# KiCad board MQ Breakout.kicad_pcb (continued)
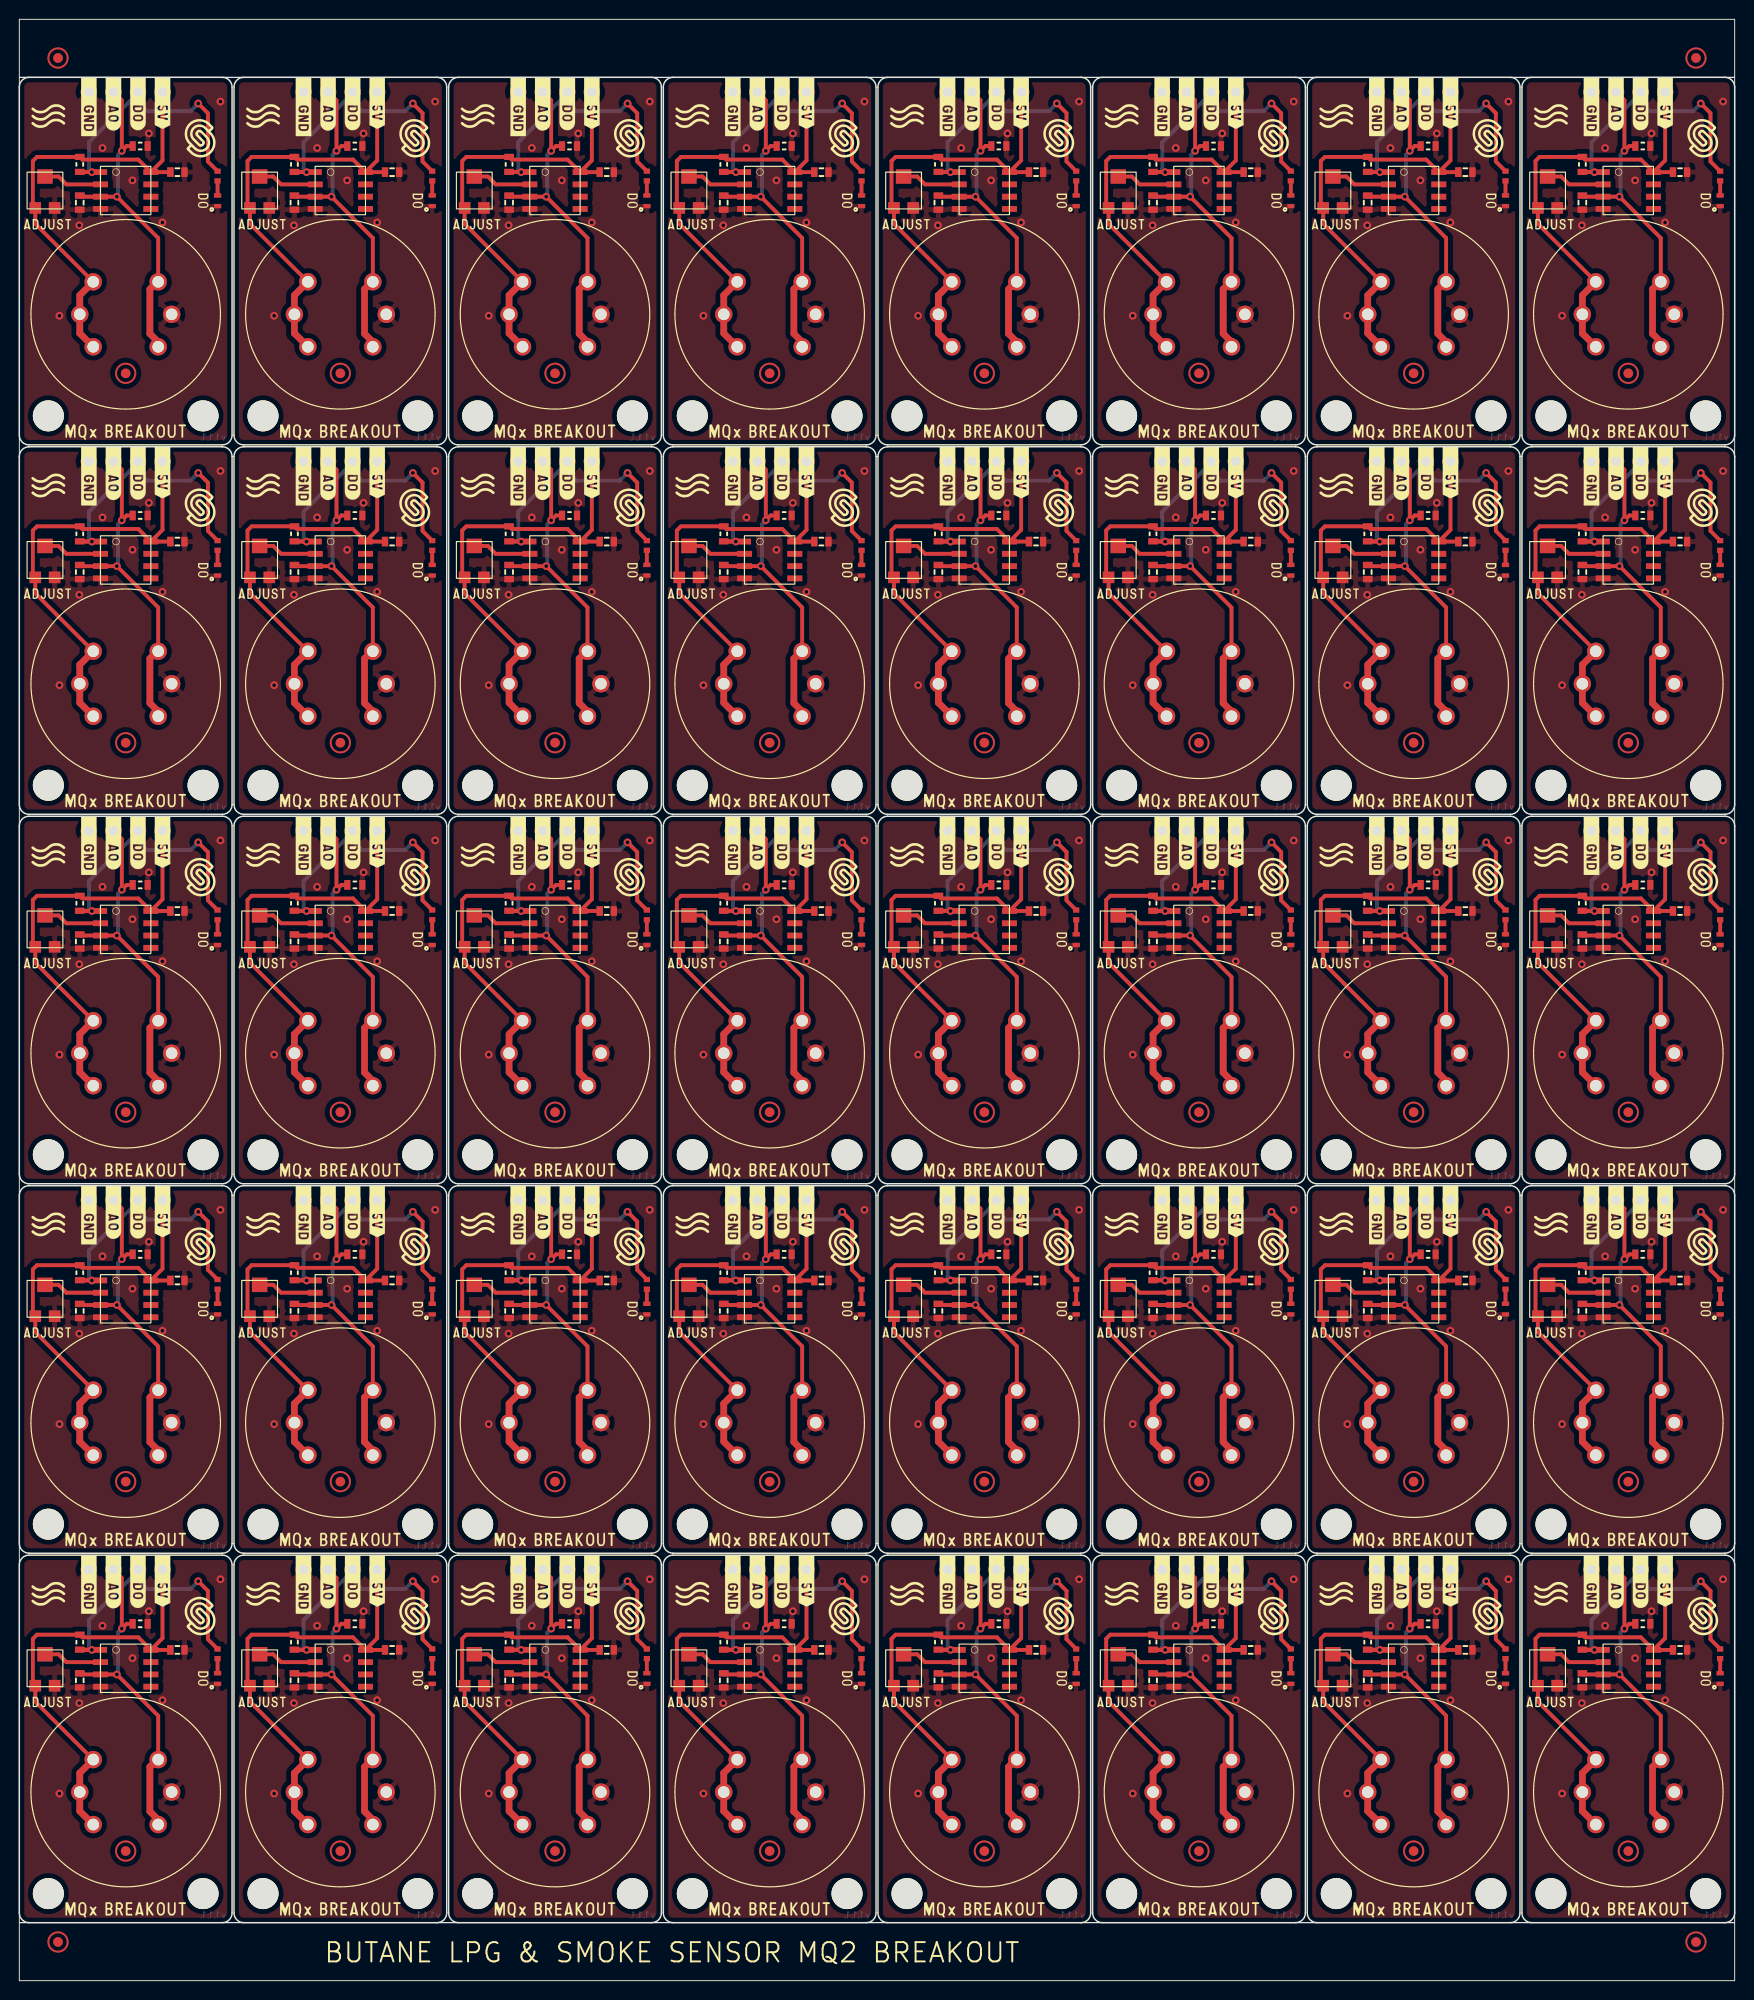
[diagram p0: board, top side]
## Routing (per net, layer and track width the routed paths; a pad name or vN(x,y) marks a point on that pad's centre or on a via; arc(x,y) is an arc through that point) (continued)
AO: length 1365.2
  Top w0.4: K1.2 10.6,156.23 v1(10.6,151) 11.1,151.5 R1#36.2 ; 103.1,61.1 103.16,61.16 103.16,65.59 v1(98.89,69.86) 95.17,69.86 C1#39.2 ; C1#20.2 95.17,31.66 U2#36.3 v1(98.89,31.66) 103.16,27.39 103.16,22.96 103.1,22.9 ; R1#29.2 77.7,113.3 v1(77.2,112.8) 77.2,118.03 K1#37.2 ; K1#23.2 55,79.83 v1(55,74.6) 55.5,75.1 R1#30.2 ; K1#21.2 55,41.63 v1(55,36.4) 55.5,36.9 R1#13.2 ; C1#37.2 117.37,108.06 U2#26.3 v1(121.09,108.06) 125.36,103.79 125.36,99.36 125.3,99.3 ; K1#32.2 143.8,194.43 v1(143.8,189.2) 144.3,189.7 R1#14.2 ; R1#21.2 144.3,113.3 v1(143.8,112.8) 143.8,118.03 K1#4.2 ; K1#7.2 32.8,194.43 v1(32.8,189.2) 33.3,189.7 R1#24.2 ; K1#8.2 99.4,79.83 v1(99.4,74.6) 99.9,75.1 R1#6.2 ; 169.7,137.5 169.76,137.56 169.76,141.99 v1(165.49,146.26) U2#8.3 161.77,146.26 C1#3.2 ; K1#28.2 99.4,194.43 v1(99.4,189.2) 99.9,189.7 R1#22.2 ; R1#23.2 122.1,189.7 v1(121.6,189.2) 121.6,194.43 K1#13.2 ; C1#14.2 139.57,69.86 v1(143.29,69.86) 147.56,65.59 147.56,61.16 147.5,61.1 ; K1#33.2 10.6,41.63 v1(10.6,36.4) 11.1,36.9 R1.2 ; R1#11.2 166.5,189.7 v1(166,189.2) 166,194.43 K1#26.2 ; 58.7,22.9 58.76,22.96 58.76,27.39 v1(54.49,31.66) U2#2.3 50.77,31.66 C1#22.2 ; R1#34.2 166.5,36.9 v1(166,36.4) 166,41.63 K1#30.2 ; C1#11.2 6.37,146.26 U2#4.3 v1(10.09,146.26) 14.36,141.99 14.36,137.56 14.3,137.5 ; 36.5,175.7 36.56,175.76 36.56,180.19 v1(32.29,184.46) U2#6.3 28.57,184.46 C1#34.2 ; R1#7.2 166.5,113.3 v1(166,112.8) 166,118.03 K1#27.2 ; R1#8.2 99.9,36.9 v1(99.4,36.4) 99.4,41.63 K1#39.2 ; 103.1,137.5 103.16,137.56 103.16,141.99 v1(98.89,146.26) U2#22.3 95.17,146.26 C1#33.2 ; C1#5.2 72.97,108.06 U2#15.3 v1(76.69,108.06) 80.96,103.79 80.96,99.36 80.9,99.3 ; C1#6.2 161.77,31.66 U2#31.3 v1(165.49,31.66) 169.76,27.39 169.76,22.96 169.7,22.9 ; K1#2.2 166,79.83 v1(166,74.6) 166.5,75.1 R1#38.2 ; K1#22.2 10.6,118.03 v1(10.6,112.8) 11.1,113.3 R1#9.2 ; K1#35.2 99.4,118.03 v1(99.4,112.8) 99.9,113.3 R1#39.2 ; 80.9,137.5 80.96,137.56 80.96,141.99 v1(76.69,146.26) U2#23.3 72.97,146.26 C1#32.2 ; K1#29.2 143.8,156.23 v1(143.8,151) 144.3,151.5 R1#5.2 ; C1#12.2 6.37,69.86 v1(10.09,69.86) 14.36,65.59 14.36,61.16 14.3,61.1 ; R1#4.2 144.3,75.1 v1(143.8,74.6) 143.8,79.83 K1#20.2 ; C1#2.2 28.57,31.66 U2#10.3 v1(32.29,31.66) 36.56,27.39 36.56,22.96 36.5,22.9 ; 169.7,175.7 169.76,175.76 169.76,180.19 v1(165.49,184.46) U2#27.3 161.77,184.46 C1#26.2 ; C1#40.2 117.37,184.46 U2#35.3 v1(121.09,184.46) 125.36,180.19 125.36,175.76 125.3,175.7 ; K1#40.2 77.2,41.63 v1(77.2,36.4) 77.7,36.9 R1#25.2 ; C1#17.2 117.37,146.26 U2#14.3 v1(121.09,146.26) 125.36,141.99 125.36,137.56 125.3,137.5 ; C1#36.2 50.77,146.26 U2#20.3 v1(54.49,146.26) 58.76,141.99 58.76,137.56 58.7,137.5 ; C1#30.2 28.57,146.26 U2#9.3 v1(32.29,146.26) 36.56,141.99 36.56,137.56 36.5,137.5 ; K1#5.2 55,156.23 v1(55,151) 55.5,151.5 R1#40.2 ; 36.5,61.1 36.56,61.16 36.56,65.59 v1(32.29,69.86) 28.57,69.86 C1#29.2 ; K1#31.2 32.8,118.03 v1(32.8,112.8) 33.3,113.3 R1#2.2 ; R1#12.2 77.7,189.7 v1(77.2,189.2) 77.2,194.43 K1#18.2 ; 125.3,22.9 125.36,22.96 125.36,27.39 v1(121.09,31.66) U2#32.3 117.37,31.66 C1#10.2 ; C1#35.2 72.97,69.86 v1(76.69,69.86) 80.96,65.59 80.96,61.16 80.9,61.1 ; R1#31.2 122.1,75.1 v1(121.6,74.6) 121.6,79.83 K1#25.2 ; K1#3.2 55,194.43 v1(55,189.2) 55.5,189.7 R1#18.2 ; K1#17.2 32.8,41.63 v1(32.8,36.4) 33.3,36.9 R1#10.2 ; R1#33.2 33.3,75.1 v1(32.8,74.6) 32.8,79.83 K1#36.2 ; C1#18.2 139.57,184.46 U2#16.3 v1(143.29,184.46) 147.56,180.19 147.56,175.76 147.5,175.7 ; 147.5,137.5 147.56,137.56 147.56,141.99 v1(143.29,146.26) U2#25.3 139.57,146.26 C1#15.2 ; 169.7,99.3 169.76,99.36 169.76,103.79 v1(165.49,108.06) U2#5.3 161.77,108.06 C1#38.2 ; R1#27.2 11.1,75.1 v1(10.6,74.6) 10.6,79.83 K1#24.2 ; C1#19.2 161.77,69.86 v1(165.49,69.86) 169.76,65.59 169.76,61.16 169.7,61.1 ; C1#25.2 50.77,108.06 U2#39.3 v1(54.49,108.06) 58.76,103.79 58.76,99.36 58.7,99.3 ; C1#23.2 6.37,184.46 U2#18.3 v1(10.09,184.46) 14.36,180.19 14.36,175.76 14.3,175.7 ; 125.3,61.1 125.36,61.16 125.36,65.59 v1(121.09,69.86) 117.37,69.86 C1#7.2 ; 14.3,99.3 14.36,99.36 14.36,103.79 v1(10.09,108.06) U2#38.3 6.37,108.06 C1#8.2 ; R1#3.2 77.7,151.5 v1(77.2,151) 77.2,156.23 K1#14.2 ; C1#28.2 50.77,184.46 U2#13.3 v1(54.49,184.46) 58.76,180.19 58.76,175.76 58.7,175.7 ; C1#31.2 139.57,31.66 U2#34.3 v1(143.29,31.66) 147.56,27.39 147.56,22.96 147.5,22.9 ; 58.7,61.1 58.76,61.16 58.76,65.59 v1(54.49,69.86) 50.77,69.86 C1#9.2 ; 103.1,99.3 103.16,99.36 103.16,103.79 v1(98.89,108.06) U2#28.3 95.17,108.06 C1.2 ; 103.1,175.7 103.16,175.76 103.16,180.19 v1(98.89,184.46) U2#30.3 95.17,184.46 C1#16.2 ; C1#13.2 139.57,108.06 U2#19.3 v1(143.29,108.06) 147.56,103.79 147.56,99.36 147.5,99.3 ; K1#11.2 99.4,156.23 v1(99.4,151) 99.9,151.5 R1#15.2 ; C1#24.2 72.97,184.46 U2#33.3 v1(76.69,184.46) 80.96,180.19 80.96,175.76 80.9,175.7 ; K1#16.2 55,118.03 v1(55,112.8) 55.5,113.3 R1#28.2 ; K1#38.2 121.6,118.03 v1(121.6,112.8) 122.1,113.3 R1#37.2 ; K1#34.2 166,156.23 v1(166,151) 166.5,151.5 R1#35.2 ; K1#19.2 121.6,156.23 v1(121.6,151) 122.1,151.5 R1#17.2 ; R1#20.2 11.1,189.7 v1(10.6,189.2) 10.6,194.43 K1#12.2 ; C1#4.2 28.57,108.06 U2#37.3 v1(32.29,108.06) 36.56,103.79 36.56,99.36 36.5,99.3 ; 14.3,22.9 14.36,22.96 14.36,27.39 v1(10.09,31.66) U2#40.3 6.37,31.66 C1#21.2 ; R1#16.2 122.1,36.9 v1(121.6,36.4) 121.6,41.63 K1#9.2 ; R1#32.2 77.7,75.1 v1(77.2,74.6) 77.2,79.83 K1#15.2 ; R1#26.2 144.3,36.9 v1(143.8,36.4) 143.8,41.63 K1#6.2 ; K1#10.2 32.8,156.23 v1(32.8,151) 33.3,151.5 R1#19.2 ; C1#27.2 72.97,31.66 U2#11.3 v1(76.69,31.66) 80.96,27.39 80.96,22.96 80.9,22.9
  Top w0.7: 58.7,99.3 57.9,98.5 57.9,93.9 58.76,93.04 ; 58.76,131.24 57.9,132.1 57.9,136.7 58.7,137.5 ; 169.7,137.5 168.9,136.7 168.9,132.1 169.76,131.24 ; 147.5,61.1 146.7,60.3 146.7,55.7 147.56,54.84 ; 14.3,22.9 13.5,22.1 13.5,17.5 14.36,16.64 ; 169.76,93.04 168.9,93.9 168.9,98.5 169.7,99.3 ; 58.76,54.84 57.9,55.7 57.9,60.3 58.7,61.1 ; 103.16,169.44 102.3,170.3 102.3,174.9 103.1,175.7 ; 125.3,22.9 124.5,22.1 124.5,17.5 125.36,16.64 ; 125.3,61.1 124.5,60.3 124.5,55.7 125.36,54.84 ; 80.96,93.04 80.1,93.9 80.1,98.5 80.9,99.3 ; 14.36,131.24 13.5,132.1 13.5,136.7 14.3,137.5 ; 36.5,137.5 35.7,136.7 35.7,132.1 36.56,131.24 ; 125.36,93.04 124.5,93.9 124.5,98.5 125.3,99.3 ; 147.5,137.5 146.7,136.7 146.7,132.1 147.56,131.24 ; 36.56,16.64 35.7,17.5 35.7,22.1 36.5,22.9 ; 80.9,137.5 80.1,136.7 80.1,132.1 80.96,131.24 ; 169.7,22.9 168.9,22.1 168.9,17.5 169.76,16.64 ; 169.76,54.84 168.9,55.7 168.9,60.3 169.7,61.1 ; 58.7,22.9 57.9,22.1 57.9,17.5 58.76,16.64 ; 14.36,169.44 13.5,170.3 13.5,174.9 14.3,175.7 ; 58.7,175.7 57.9,174.9 57.9,170.3 58.76,169.44 ; 103.1,22.9 102.3,22.1 102.3,17.5 103.16,16.64 ; 80.9,22.9 80.1,22.1 80.1,17.5 80.96,16.64 ; 36.56,54.84 35.7,55.7 35.7,60.3 36.5,61.1 ; 36.56,93.04 35.7,93.9 35.7,98.5 36.5,99.3 ; 103.16,93.04 102.3,93.9 102.3,98.5 103.1,99.3 ; 147.56,16.64 146.7,17.5 146.7,22.1 147.5,22.9 ; 80.96,169.44 80.1,170.3 80.1,174.9 80.9,175.7 ; 169.7,175.7 168.9,174.9 168.9,170.3 169.76,169.44 ; 36.5,175.7 35.7,174.9 35.7,170.3 36.56,169.44 ; 147.5,99.3 146.7,98.5 146.7,93.9 147.56,93.04 ; 14.36,93.04 13.5,93.9 13.5,98.5 14.3,99.3 ; 103.16,54.84 102.3,55.7 102.3,60.3 103.1,61.1 ; 103.16,131.24 102.3,132.1 102.3,136.7 103.1,137.5 ; 125.36,131.24 124.5,132.1 124.5,136.7 125.3,137.5 ; 14.36,54.84 13.5,55.7 13.5,60.3 14.3,61.1 ; 125.36,169.44 124.5,170.3 124.5,174.9 125.3,175.7 ; 147.5,175.7 146.7,174.9 146.7,170.3 147.56,169.44 ; 80.96,54.84 80.1,55.7 80.1,60.3 80.9,61.1
  Bottom w0.4: v1(55,112.8) 54.6,112.4 54.6,108.18 v1(54.49,108.06) ; v1(165.49,108.06) 165.6,108.18 165.6,112.4 v1(166,112.8) ; v1(121.6,74.6) 121.2,74.2 121.2,69.98 v1(121.09,69.86) ; v1(32.29,69.86) 32.4,69.98 32.4,74.2 v1(32.8,74.6) ; v1(143.8,151) 143.4,150.6 143.4,146.38 v1(143.29,146.26) ; v1(55,36.4) 54.6,36 54.6,31.78 v1(54.49,31.66) ; v1(32.8,112.8) 32.4,112.4 32.4,108.18 v1(32.29,108.06) ; v1(10.6,112.8) 10.2,112.4 10.2,108.18 v1(10.09,108.06) ; v1(99.4,112.8) 99,112.4 99,108.18 v1(98.89,108.06) ; v1(77.2,151) 76.8,150.6 76.8,146.38 v1(76.69,146.26) ; v1(55,151) 54.6,150.6 54.6,146.38 v1(54.49,146.26) ; v1(121.6,36.4) 121.2,36 121.2,31.78 v1(121.09,31.66) ; v1(166,74.6) 165.6,74.2 165.6,69.98 v1(165.49,69.86) ; v1(121.6,151) 121.2,150.6 121.2,146.38 v1(121.09,146.26) ; v1(165.49,31.66) 165.6,31.78 165.6,36 v1(166,36.4) ; v1(10.6,74.6) 10.2,74.2 10.2,69.98 v1(10.09,69.86) ; v1(54.49,184.46) 54.6,184.58 54.6,188.8 v1(55,189.2) ; v1(99.4,74.6) 99,74.2 99,69.98 v1(98.89,69.86) ; v1(99.4,36.4) 99,36 99,31.78 v1(98.89,31.66) ; v1(76.69,108.06) 76.8,108.18 76.8,112.4 v1(77.2,112.8) ; v1(121.09,108.06) 121.2,108.18 121.2,112.4 v1(121.6,112.8) ; v1(121.6,189.2) 121.2,188.8 121.2,184.58 v1(121.09,184.46) ; v1(10.09,184.46) 10.2,184.58 10.2,188.8 v1(10.6,189.2) ; v1(76.69,31.66) 76.8,31.78 76.8,36 v1(77.2,36.4) ; v1(32.8,189.2) 32.4,188.8 32.4,184.58 v1(32.29,184.46) ; v1(143.8,189.2) 143.4,188.8 143.4,184.58 v1(143.29,184.46) ; v1(99.4,151) 99,150.6 99,146.38 v1(98.89,146.26) ; v1(76.69,69.86) 76.8,69.98 76.8,74.2 v1(77.2,74.6) ; v1(165.49,146.26) 165.6,146.38 165.6,150.6 v1(166,151) ; v1(143.8,36.4) 143.4,36 143.4,31.78 v1(143.29,31.66) ; v1(54.49,69.86) 54.6,69.98 54.6,74.2 v1(55,74.6) ; v1(165.49,184.46) 165.6,184.58 165.6,188.8 v1(166,189.2) ; v1(10.6,36.4) 10.2,36 10.2,31.78 v1(10.09,31.66) ; v1(143.29,69.86) 143.4,69.98 143.4,74.2 v1(143.8,74.6) ; v1(32.29,31.66) 32.4,31.78 32.4,36 v1(32.8,36.4) ; v1(98.89,184.46) 99,184.58 99,188.8 v1(99.4,189.2) ; v1(10.6,151) 10.2,150.6 10.2,146.38 v1(10.09,146.26) ; v1(32.29,146.26) 32.4,146.38 32.4,150.6 v1(32.8,151) ; v1(76.69,184.46) 76.8,184.58 76.8,188.8 v1(77.2,189.2) ; v1(143.29,108.06) 143.4,108.18 143.4,112.4 v1(143.8,112.8)
D0: length 1187.5
  Top w0.4: U2#22.1 95.07,148.81 R3#29.1 96.28,148.82 v1(96.3,148.8) ; R4#3.1 19.5,73.5 19.5,78.5 v1(18.5,79.5) ; R4#32.1 174.9,111.7 174.9,116.7 v1(173.9,117.7) ; v1(18.5,41.3) 19.5,40.3 19.5,35.3 R4#28.1 ; v1(85.1,194.1) 86.1,193.1 86.1,188.1 R4#27.1 ; U2#32.1 117.27,34.2 R3#39.1 118.48,34.22 v1(118.5,34.2) ; R4#19.1 174.9,149.9 174.9,154.9 v1(173.9,155.9) ; v1(107.3,155.9) 108.3,154.9 108.3,149.9 R4#40.1 ; U2#35.1 117.27,187 117.25,187.02 118.48,187.02 v1(118.5,187) ; R4#20.1 152.7,188.1 152.7,193.1 v1(151.7,194.1) ; R4#9.1 130.5,73.5 130.5,78.5 v1(129.5,79.5) ; R4#16.1 130.5,149.9 130.5,154.9 v1(129.5,155.9) ; v1(173.9,194.1) 174.9,193.1 174.9,188.1 R4#10.1 ; v1(74.1,72.4) 74.08,72.42 R3#40.1 72.87,72.41 U2.1 ; R4#11.1 174.9,35.3 174.9,40.3 v1(173.9,41.3) ; R4#39.1 19.5,149.9 19.5,154.9 v1(18.5,155.9) ; v1(173.9,79.5) 174.9,78.5 174.9,73.5 R4#2.1 ; v1(51.9,110.6) 51.88,110.62 R3#32.1 50.67,110.6 U2#39.1 ; U2#28.1 95.07,110.6 R3#10.1 96.28,110.62 v1(96.3,110.6) ; v1(129.5,117.7) 130.5,116.7 130.5,111.7 R4#26.1 ; U2#23.1 72.87,148.81 R3#30.1 74.08,148.82 v1(74.1,148.8) ; v1(74.1,34.2) 74.08,34.22 R3.1 72.87,34.2 U2#11.1 ; v1(29.7,187) 29.68,187.02 28.45,187.02 28.47,187 U2#6.1 ; v1(107.3,117.7) 108.3,116.7 108.3,111.7 R4#23.1 ; v1(40.7,117.7) 41.7,116.7 41.7,111.7 R4#33.1 ; v1(18.5,117.7) 19.5,116.7 19.5,111.7 R4#6.1 ; U2#2.1 50.67,34.2 R3#33.1 51.88,34.22 v1(51.9,34.2) ; v1(51.9,148.8) 51.88,148.82 R3#35.1 50.67,148.81 U2#20.1 ; v1(29.7,148.8) 29.68,148.82 R3#28.1 28.47,148.81 U2#9.1 ; U2#7.1 139.47,72.41 R3#13.1 140.68,72.42 v1(140.7,72.4) ; v1(118.5,148.8) 118.48,148.82 R3#4.1 117.27,148.81 U2#14.1 ; v1(107.3,41.3) 108.3,40.3 108.3,35.3 R4#30.1 ; v1(29.7,72.4) 29.68,72.42 R3#15.1 28.47,72.41 U2#21.1 ; R4#12.1 108.3,188.1 108.3,193.1 v1(107.3,194.1) ; v1(118.5,72.4) 118.48,72.42 R3#19.1 117.27,72.41 U2#17.1 ; U2#29.1 95.07,72.41 R3#23.1 96.28,72.42 v1(96.3,72.4) ; v1(29.7,34.2) 29.68,34.22 R3#6.1 28.47,34.2 U2#10.1 ; U2#25.1 139.47,148.81 R3#2.1 140.68,148.82 v1(140.7,148.8) ; v1(62.9,41.3) 63.9,40.3 63.9,35.3 R4.1 ; v1(85.1,117.7) 86.1,116.7 86.1,111.7 R4#5.1 ; U2#13.1 50.67,187 50.65,187.02 51.88,187.02 v1(51.9,187) ; v1(140.7,187) 140.68,187.02 139.45,187.02 139.47,187 U2#16.1 ; U2#27.1 161.67,187 161.65,187.02 162.88,187.02 v1(162.9,187) ; R4#29.1 41.7,188.1 41.7,193.1 v1(40.7,194.1) ; v1(85.1,41.3) 86.1,40.3 86.1,35.3 R4#24.1 ; v1(140.7,34.2) 140.68,34.22 R3#36.1 139.47,34.2 U2#34.1 ; v1(7.5,110.6) 7.48,110.62 R3#8.1 6.27,110.6 U2#38.1 ; v1(85.1,79.5) 86.1,78.5 86.1,73.5 R4#25.1 ; v1(74.1,110.6) 74.08,110.62 R3#5.1 72.87,110.6 U2#15.1 ; U2#30.1 95.07,187 95.05,187.02 96.28,187.02 v1(96.3,187) ; v1(151.7,79.5) 152.7,78.5 152.7,73.5 R4#4.1 ; v1(96.3,34.2) 96.28,34.22 R3#12.1 95.07,34.2 U2#36.1 ; v1(18.5,194.1) 19.5,193.1 19.5,188.1 R4#34.1 ; R4#31.1 130.5,188.1 130.5,193.1 v1(129.5,194.1) ; U2#18.1 6.27,187 6.25,187.02 7.48,187.02 v1(7.5,187) ; R4#21.1 63.9,188.1 63.9,193.1 v1(62.9,194.1) ; U2#37.1 28.47,110.6 R3#17.1 29.68,110.62 v1(29.7,110.6) ; R4#37.1 41.7,73.5 41.7,78.5 v1(40.7,79.5) ; v1(62.9,79.5) 63.9,78.5 63.9,73.5 R4#22.1 ; v1(62.9,117.7) 63.9,116.7 63.9,111.7 R4#35.1 ; v1(118.5,110.6) 118.48,110.62 R3#27.1 117.27,110.6 U2#26.1 ; v1(74.1,187) 74.08,187.02 72.85,187.02 72.87,187 U2#33.1 ; R4#18.1 152.7,149.9 152.7,154.9 v1(151.7,155.9) ; R4#36.1 152.7,111.7 152.7,116.7 v1(151.7,117.7) ; U2#3.1 50.67,72.41 R3#31.1 51.88,72.42 v1(51.9,72.4) ; v1(140.7,110.6) 140.68,110.62 R3#24.1 139.47,110.6 U2#19.1 ; R4#13.1 86.1,149.9 86.1,154.9 v1(85.1,155.9) ; U2#31.1 161.67,34.2 R3#25.1 162.88,34.22 v1(162.9,34.2) ; v1(107.3,79.5) 108.3,78.5 108.3,73.5 R4#38.1 ; v1(129.5,41.3) 130.5,40.3 130.5,35.3 R4#17.1 ; U2#8.1 161.67,148.81 R3#34.1 162.88,148.82 v1(162.9,148.8) ; v1(7.5,72.4) 7.48,72.42 R3#9.1 6.27,72.41 U2#24.1 ; U2#5.1 161.67,110.6 R3#38.1 162.88,110.62 v1(162.9,110.6) ; v1(40.7,155.9) 41.7,154.9 41.7,149.9 R4#7.1 ; U2#12.1 161.67,72.41 R3#22.1 162.88,72.42 v1(162.9,72.4) ; U2#40.1 6.27,34.2 R3#37.1 7.48,34.22 v1(7.5,34.2) ; R4#15.1 41.7,35.3 41.7,40.3 v1(40.7,41.3) ; v1(62.9,155.9) 63.9,154.9 63.9,149.9 R4#8.1 ; v1(7.5,148.8) 7.48,148.82 R3#26.1 6.27,148.81 U2#4.1 ; v1(151.7,41.3) 152.7,40.3 152.7,35.3 R4#14.1
  Bottom w0.4: v1(40.7,41.3) 39.9,40.5 35.4,40.5 34.47,41.43 K1#17.3 34.47,42.37 29.4,37.3 29.4,34.5 v1(29.7,34.2) ; v1(51.9,148.8) 51.6,149.1 51.6,151.9 56.67,156.97 K1#5.3 56.67,156.03 57.6,155.1 62.1,155.1 v1(62.9,155.9) ; v1(151.7,155.9) 150.9,155.1 146.4,155.1 145.47,156.03 K1#29.3 145.47,156.97 140.4,151.9 140.4,149.1 v1(140.7,148.8) ; v1(151.7,194.1) 150.9,193.3 146.4,193.3 145.47,194.23 K1#32.3 145.47,195.17 140.4,190.1 140.4,187.3 v1(140.7,187) ; v1(85.1,155.9) 84.3,155.1 79.8,155.1 78.87,156.03 K1#14.3 78.87,156.97 73.8,151.9 73.8,149.1 v1(74.1,148.8) ; v1(129.5,41.3) 128.7,40.5 124.2,40.5 123.27,41.43 K1#9.3 123.27,42.37 118.2,37.3 118.2,34.5 v1(118.5,34.2) ; v1(51.9,72.4) 51.6,72.7 51.6,75.5 56.67,80.57 K1#23.3 56.67,79.63 57.6,78.7 62.1,78.7 v1(62.9,79.5) ; v1(129.5,117.7) 128.7,116.9 124.2,116.9 123.27,117.83 K1#38.3 123.27,118.77 118.2,113.7 118.2,110.9 v1(118.5,110.6) ; v1(29.7,110.6) 29.4,110.9 29.4,113.7 34.47,118.77 K1#31.3 34.47,117.83 35.4,116.9 39.9,116.9 v1(40.7,117.7) ; v1(118.5,187) 118.2,187.3 118.2,190.1 123.27,195.17 K1#13.3 123.27,194.23 124.2,193.3 128.7,193.3 v1(129.5,194.1) ; v1(62.9,194.1) 62.1,193.3 57.6,193.3 56.67,194.23 K1#3.3 56.67,195.17 51.6,190.1 51.6,187.3 v1(51.9,187) ; v1(173.9,155.9) 173.1,155.1 168.6,155.1 167.67,156.03 K1#34.3 167.67,156.97 162.6,151.9 162.6,149.1 v1(162.9,148.8) ; v1(107.3,194.1) 106.5,193.3 102,193.3 101.07,194.23 K1#28.3 101.07,195.17 96,190.1 96,187.3 v1(96.3,187) ; v1(7.5,187) 7.2,187.3 7.2,190.1 12.27,195.17 K1#12.3 12.27,194.23 13.2,193.3 17.7,193.3 v1(18.5,194.1) ; v1(96.3,34.2) 96,34.5 96,37.3 101.07,42.37 K1#39.3 101.07,41.43 102,40.5 106.5,40.5 v1(107.3,41.3) ; v1(51.9,110.6) 51.6,110.9 51.6,113.7 56.67,118.77 K1#16.3 56.67,117.83 57.6,116.9 62.1,116.9 v1(62.9,117.7) ; v1(140.7,34.2) 140.4,34.5 140.4,37.3 145.47,42.37 K1#6.3 145.47,41.43 146.4,40.5 150.9,40.5 v1(151.7,41.3) ; v1(162.9,34.2) 162.6,34.5 162.6,37.3 167.67,42.37 K1#30.3 167.67,41.43 168.6,40.5 173.1,40.5 v1(173.9,41.3) ; v1(29.7,148.8) 29.4,149.1 29.4,151.9 34.47,156.97 K1#10.3 34.47,156.03 35.4,155.1 39.9,155.1 v1(40.7,155.9) ; v1(129.5,155.9) 128.7,155.1 124.2,155.1 123.27,156.03 K1#19.3 123.27,156.97 118.2,151.9 118.2,149.1 v1(118.5,148.8) ; v1(162.9,110.6) 162.6,110.9 162.6,113.7 167.67,118.77 K1#27.3 167.67,117.83 168.6,116.9 173.1,116.9 v1(173.9,117.7) ; v1(129.5,79.5) 128.7,78.7 124.2,78.7 123.27,79.63 K1#25.3 123.27,80.57 118.2,75.5 118.2,72.7 v1(118.5,72.4) ; v1(74.1,110.6) 73.8,110.9 73.8,113.7 78.87,118.77 K1#37.3 78.87,117.83 79.8,116.9 84.3,116.9 v1(85.1,117.7) ; v1(18.5,117.7) 17.7,116.9 13.2,116.9 12.27,117.83 K1#22.3 12.27,118.77 7.2,113.7 7.2,110.9 v1(7.5,110.6) ; v1(18.5,41.3) 17.7,40.5 13.2,40.5 12.27,41.43 K1#33.3 12.27,42.37 7.2,37.3 7.2,34.5 v1(7.5,34.2) ; v1(140.7,72.4) 140.4,72.7 140.4,75.5 145.47,80.57 K1#20.3 145.47,79.63 146.4,78.7 150.9,78.7 v1(151.7,79.5) ; v1(85.1,79.5) 84.3,78.7 79.8,78.7 78.87,79.63 K1#15.3 78.87,80.57 73.8,75.5 73.8,72.7 v1(74.1,72.4) ; v1(96.3,72.4) 96,72.7 96,75.5 101.07,80.57 K1#8.3 101.07,79.63 102,78.7 106.5,78.7 v1(107.3,79.5) ; v1(7.5,148.8) 7.2,149.1 7.2,151.9 12.27,156.97 K1.3 12.27,156.03 13.2,155.1 17.7,155.1 v1(18.5,155.9) ; v1(40.7,79.5) 39.9,78.7 35.4,78.7 34.47,79.63 K1#36.3 34.47,80.57 29.4,75.5 29.4,72.7 v1(29.7,72.4) ; v1(96.3,110.6) 96,110.9 96,113.7 101.07,118.77 K1#35.3 101.07,117.83 102,116.9 106.5,116.9 v1(107.3,117.7) ; v1(40.7,194.1) 39.9,193.3 35.4,193.3 34.47,194.23 K1#7.3 34.47,195.17 29.4,190.1 29.4,187.3 v1(29.7,187) ; v1(18.5,79.5) 17.7,78.7 13.2,78.7 12.27,79.63 K1#24.3 12.27,80.57 7.2,75.5 7.2,72.7 v1(7.5,72.4) ; v1(51.9,34.2) 51.6,34.5 51.6,37.3 56.67,42.37 K1#21.3 56.67,41.43 57.6,40.5 62.1,40.5 v1(62.9,41.3) ; v1(85.1,194.1) 84.3,193.3 79.8,193.3 78.87,194.23 K1#18.3 78.87,195.17 73.8,190.1 73.8,187.3 v1(74.1,187) ; v1(173.9,194.1) 173.1,193.3 168.6,193.3 167.67,194.23 K1#26.3 167.67,195.17 162.6,190.1 162.6,187.3 v1(162.9,187) ; v1(107.3,155.9) 106.5,155.1 102,155.1 101.07,156.03 K1#11.3 101.07,156.97 96,151.9 96,149.1 v1(96.3,148.8) ; v1(74.1,34.2) 73.8,34.5 73.8,37.3 78.87,42.37 K1#40.3 78.87,41.43 79.8,40.5 84.3,40.5 v1(85.1,41.3) ; v1(162.9,72.4) 162.6,72.7 162.6,75.5 167.67,80.57 K1#2.3 167.67,79.63 168.6,78.7 173.1,78.7 v1(173.9,79.5) ; v1(151.7,117.7) 150.9,116.9 146.4,116.9 145.47,117.83 K1#4.3 145.47,118.77 140.4,113.7 140.4,110.9 v1(140.7,110.6)
POT: length 243.5
  Top w0.4: U2#13.2 49.27,185.74 48.45,186.55 R2#17.2 ; 97.2,109.34 93.67,109.34 92.85,110.15 R2#22.2 ; R2#21.2 4.05,148.35 4.87,147.53 U2#4.2 ; 52.8,109.34 49.27,109.34 48.45,110.15 R2#40.2 ; R2#39.2 26.25,33.75 27.07,32.94 30.6,32.94 ; U2#20.2 49.27,147.53 48.45,148.35 R2.2 ; R2#28.2 70.65,71.95 71.47,71.13 U2.2 ; 30.6,109.34 27.07,109.34 26.25,110.15 R2#20.2 ; R2#4.2 70.65,33.75 71.47,32.94 75,32.94 ; 8.4,32.94 4.87,32.94 4.05,33.75 R2#10.2 ; R2#29.2 115.05,71.95 115.87,71.13 U2#17.2 ; R2#19.2 70.65,148.35 71.47,147.53 U2#23.2 ; U2#14.2 115.87,147.53 115.05,148.35 R2#12.2 ; U2#12.2 160.27,71.13 159.45,71.95 R2#23.2 ; 141.6,32.94 138.07,32.94 137.25,33.75 R2#34.2 ; R2#8.2 4.05,110.15 4.87,109.34 8.4,109.34 ; R2#11.2 115.05,110.15 115.87,109.34 119.4,109.34 ; R2#2.2 26.25,186.55 27.07,185.74 U2#6.2 ; U2#3.2 49.27,71.13 48.45,71.95 R2#3.2 ; R2#13.2 92.85,148.35 93.67,147.53 U2#22.2 ; R2#16.2 4.05,71.95 4.87,71.13 U2#24.2 ; U2#33.2 71.47,185.74 70.65,186.55 R2#14.2 ; R2#26.2 26.25,148.35 27.07,147.53 U2#9.2 ; R2#32.2 137.25,110.15 138.07,109.34 141.6,109.34 ; R2#15.2 92.85,33.75 93.67,32.94 97.2,32.94 ; R2#18.2 92.85,186.55 93.67,185.74 U2#30.2 ; R2#33.2 159.45,33.75 160.27,32.94 163.8,32.94 ; R2#5.2 159.45,110.15 160.27,109.34 163.8,109.34 ; 52.8,32.94 49.27,32.94 48.45,33.75 R2#7.2 ; R2#30.2 70.65,110.15 71.47,109.34 75,109.34 ; U2#25.2 138.07,147.53 137.25,148.35 R2#35.2 ; U2#27.2 160.27,185.74 159.45,186.55 R2#25.2 ; R2#6.2 92.85,71.95 93.67,71.13 U2#29.2 ; R2#31.2 115.05,186.55 115.87,185.74 U2#35.2 ; R2#27.2 115.05,33.75 115.87,32.94 119.4,32.94 ; U2#8.2 160.27,147.53 159.45,148.35 R2#9.2 ; R2#36.2 26.25,71.95 27.07,71.13 U2#21.2 ; U2#16.2 138.07,185.74 137.25,186.55 R2#38.2 ; U2#18.2 4.87,185.74 4.05,186.55 R2#37.2 ; U2#7.2 138.07,71.13 137.25,71.95 R2#24.2
Net-(D1-Pad1): length 60.5
  Top w0.4: D1#24.1 R4#32.2 ; D1#38.1 R4#24.2 ; D1#14.1 R4#12.2 ; D1#5.1 R4#16.2 ; D1#4.1 R4#29.2 ; D1#11.1 R4#39.2 ; D1#23.1 R4#18.2 ; D1#6.1 R4#10.2 ; D1#2.1 R4#6.2 ; D1#18.1 R4#26.2 ; D1#20.1 R4#25.2 ; D1#40.1 R4#40.2 ; D1#21.1 R4#3.2 ; D1#25.1 R4#36.2 ; D1#39.1 R4#33.2 ; D1#9.1 R4#19.2 ; D1#35.1 R4#21.2 ; D1#15.1 R4#13.2 ; D1#16.1 R4#11.2 ; D1#7.1 R4#27.2 ; D1#37.1 R4#5.2 ; D1#17.1 R4#31.2 ; D1#10.1 R4#30.2 ; D1#19.1 R4#17.2 ; D1#3.1 R4#28.2 ; D1#30.1 R4#2.2 ; D1#22.1 R4#22.2 ; D1#28.1 R4#4.2 ; D1#12.1 R4#14.2 ; D1.1 R4.2 ; D1#36.1 R4#20.2 ; D1#8.1 R4#37.2 ; D1#26.1 R4#38.2 ; D1#34.1 R4#7.2 ; D1#27.1 R4#8.2 ; D1#13.1 R4#15.2 ; D1#33.1 R4#34.2 ; D1#31.1 R4#23.2 ; D1#29.1 R4#35.2 ; D1#32.1 R4#9.2

## Copper pours and planes (outline as drawn; the poured copper is in the pictures)
GND on Top: 110.8,6 88.8,6 88.8,44 110.8,44
GND on Top: 88.6,82.4 66.6,82.4 66.6,120.4 88.6,120.4
GND on Top: 110.8,158.8 88.8,158.8 88.8,196.8 110.8,196.8
GND on Top: 177.4,6 155.4,6 155.4,44 177.4,44
GND on Top: 66.4,44.2 44.4,44.2 44.4,82.2 66.4,82.2
GND on Top: 44.2,158.8 22.2,158.8 22.2,196.8 44.2,196.8
GND on Top: 44.2,44.2 22.2,44.2 22.2,82.2 44.2,82.2
GND on Top: 133,6 111,6 111,44 133,44
GND on Top: 22,6 0,6 0,44 22,44
GND on Top: 155.2,120.6 133.2,120.6 133.2,158.6 155.2,158.6
GND on Top: 133,158.8 111,158.8 111,196.8 133,196.8
GND on Top: 155.2,6 133.2,6 133.2,44 155.2,44
GND on Top: 22,158.8 0,158.8 0,196.8 22,196.8
GND on Top: 44.2,6 22.2,6 22.2,44 44.2,44
GND on Top: 110.8,44.2 88.8,44.2 88.8,82.2 110.8,82.2
GND on Top: 22,44.2 0,44.2 0,82.2 22,82.2
GND on Top: 110.8,120.6 88.8,120.6 88.8,158.6 110.8,158.6
GND on Top: 177.4,158.8 155.4,158.8 155.4,196.8 177.4,196.8
GND on Top: 110.8,82.4 88.8,82.4 88.8,120.4 110.8,120.4
GND on Top: 133,44.2 111,44.2 111,82.2 133,82.2
GND on Top: 88.6,44.2 66.6,44.2 66.6,82.2 88.6,82.2
GND on Top: 177.4,120.6 155.4,120.6 155.4,158.6 177.4,158.6
GND on Top: 66.4,82.4 44.4,82.4 44.4,120.4 66.4,120.4
GND on Top: 88.6,6 66.6,6 66.6,44 88.6,44
GND on Top: 177.4,82.4 155.4,82.4 155.4,120.4 177.4,120.4
GND on Top: 133,120.6 111,120.6 111,158.6 133,158.6
GND on Top: 133,82.4 111,82.4 111,120.4 133,120.4
GND on Top: 88.6,120.6 66.6,120.6 66.6,158.6 88.6,158.6
GND on Top: 155.2,82.4 133.2,82.4 133.2,120.4 155.2,120.4
GND on Top: 22,120.6 0,120.6 0,158.6 22,158.6
GND on Top: 66.4,6 44.4,6 44.4,44 66.4,44
GND on Top: 88.6,158.8 66.6,158.8 66.6,196.8 88.6,196.8
GND on Top: 66.4,120.6 44.4,120.6 44.4,158.6 66.4,158.6
GND on Top: 44.2,120.6 22.2,120.6 22.2,158.6 44.2,158.6
GND on Top: 22,82.4 0,82.4 0,120.4 22,120.4
GND on Top: 155.2,158.8 133.2,158.8 133.2,196.8 155.2,196.8
GND on Top: 177.4,44.2 155.4,44.2 155.4,82.2 177.4,82.2
GND on Top: 44.2,82.4 22.2,82.4 22.2,120.4 44.2,120.4
GND on Top: 155.2,44.2 133.2,44.2 133.2,82.2 155.2,82.2
GND on Top: 66.4,158.8 44.4,158.8 44.4,196.8 66.4,196.8
GND on Bottom: 88.6,158.8 66.6,158.8 66.6,196.8 88.6,196.8
GND on Bottom: 110.8,44.2 88.8,44.2 88.8,82.2 110.8,82.2
GND on Bottom: 155.2,120.6 133.2,120.6 133.2,158.6 155.2,158.6
GND on Bottom: 177.4,158.8 155.4,158.8 155.4,196.8 177.4,196.8
GND on Bottom: 177.4,6 155.4,6 155.4,44 177.4,44
GND on Bottom: 22,44.2 0,44.2 0,82.2 22,82.2
GND on Bottom: 44.2,44.2 22.2,44.2 22.2,82.2 44.2,82.2
GND on Bottom: 155.2,44.2 133.2,44.2 133.2,82.2 155.2,82.2
GND on Bottom: 22,6 0,6 0,44 22,44
GND on Bottom: 44.2,158.8 22.2,158.8 22.2,196.8 44.2,196.8
GND on Bottom: 133,44.2 111,44.2 111,82.2 133,82.2
GND on Bottom: 22,82.4 0,82.4 0,120.4 22,120.4
GND on Bottom: 177.4,44.2 155.4,44.2 155.4,82.2 177.4,82.2
GND on Bottom: 110.8,6 88.8,6 88.8,44 110.8,44
GND on Bottom: 88.6,6 66.6,6 66.6,44 88.6,44
GND on Bottom: 155.2,82.4 133.2,82.4 133.2,120.4 155.2,120.4
GND on Bottom: 88.6,82.4 66.6,82.4 66.6,120.4 88.6,120.4
GND on Bottom: 177.4,82.4 155.4,82.4 155.4,120.4 177.4,120.4
GND on Bottom: 66.4,120.6 44.4,120.6 44.4,158.6 66.4,158.6
GND on Bottom: 44.2,120.6 22.2,120.6 22.2,158.6 44.2,158.6
GND on Bottom: 66.4,158.8 44.4,158.8 44.4,196.8 66.4,196.8
GND on Bottom: 44.2,6 22.2,6 22.2,44 44.2,44
GND on Bottom: 66.4,82.4 44.4,82.4 44.4,120.4 66.4,120.4
GND on Bottom: 66.4,6 44.4,6 44.4,44 66.4,44
GND on Bottom: 22,120.6 0,120.6 0,158.6 22,158.6
GND on Bottom: 88.6,120.6 66.6,120.6 66.6,158.6 88.6,158.6
GND on Bottom: 110.8,82.4 88.8,82.4 88.8,120.4 110.8,120.4
GND on Bottom: 155.2,158.8 133.2,158.8 133.2,196.8 155.2,196.8
GND on Bottom: 133,82.4 111,82.4 111,120.4 133,120.4
GND on Bottom: 133,120.6 111,120.6 111,158.6 133,158.6
GND on Bottom: 110.8,158.8 88.8,158.8 88.8,196.8 110.8,196.8
GND on Bottom: 155.2,6 133.2,6 133.2,44 155.2,44
GND on Bottom: 133,6 111,6 111,44 133,44
GND on Bottom: 110.8,120.6 88.8,120.6 88.8,158.6 110.8,158.6
GND on Bottom: 44.2,82.4 22.2,82.4 22.2,120.4 44.2,120.4
GND on Bottom: 177.4,120.6 155.4,120.6 155.4,158.6 177.4,158.6
GND on Bottom: 66.4,44.2 44.4,44.2 44.4,82.2 66.4,82.2
GND on Bottom: 133,158.8 111,158.8 111,196.8 133,196.8
GND on Bottom: 22,158.8 0,158.8 0,196.8 22,196.8
GND on Bottom: 88.6,44.2 66.6,44.2 66.6,82.2 88.6,82.2

## Text on the board
F.Silkscreen: BUTANE LPG & SMOKE SENSOR MQ2 BREAKOUT
User.8: V-CUT
